# Altium PCB MB1404.PcbDoc (part 5 of 7) (continued)
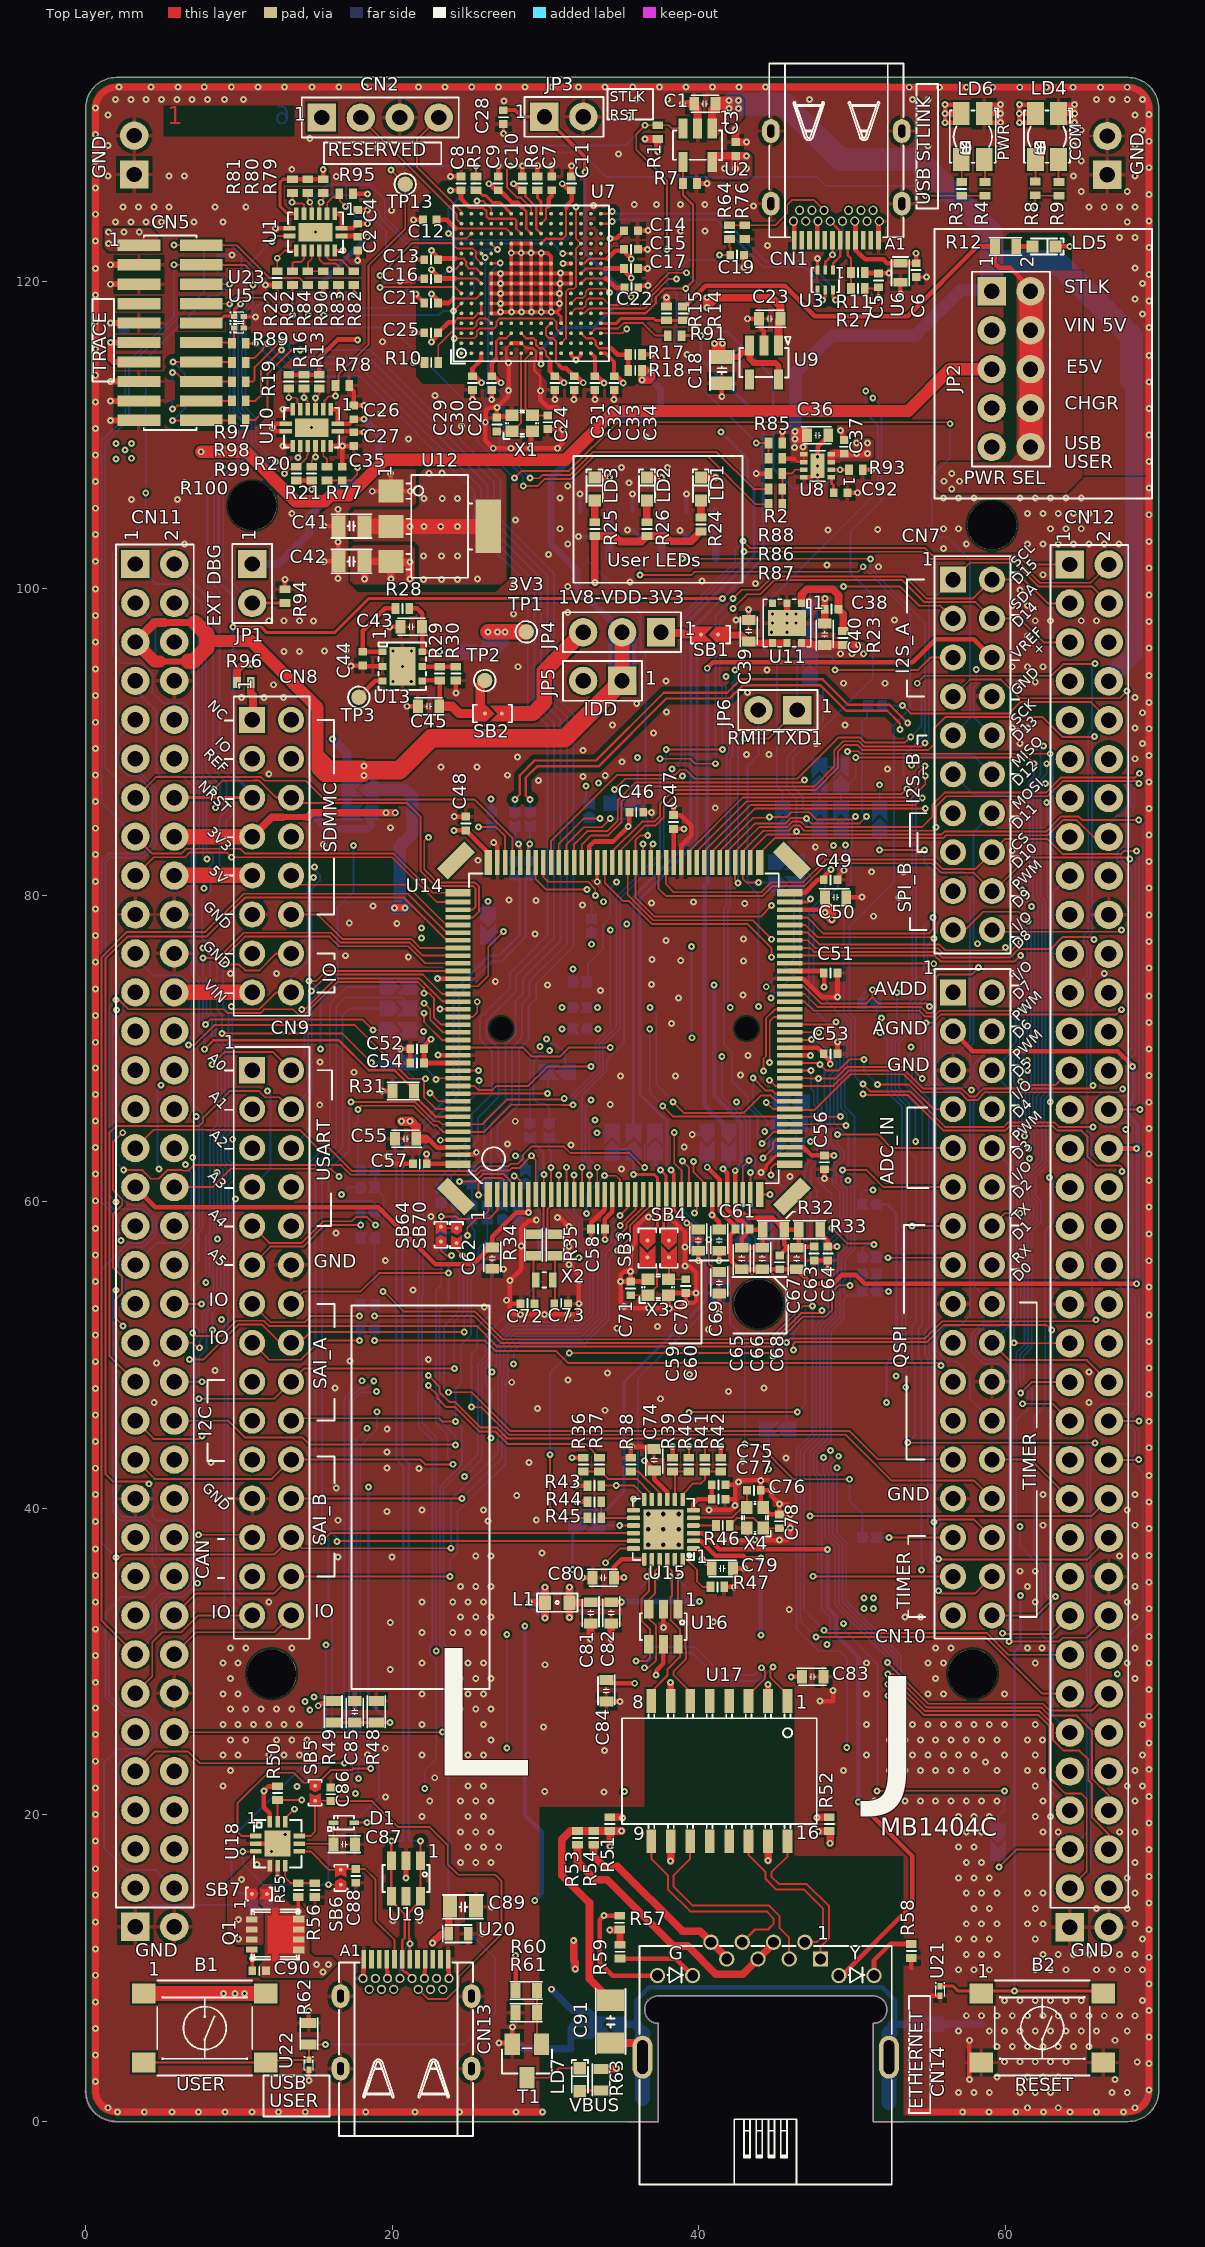
[diagram p0: Top Layer view]
## Nets (pads, with @x,y where several pads share a name; then routed paths per layer and width w, separated by ;. In a path a pad name is that pad's centre, name@x,y a point inside that pad or via, vN(x,y) a via of type N, cw(c..) or ccw(c..) an arc to the next point about the centre after c; other vN are vias at no path point) (continued)
  Signal Layer 2 w0.12: CN10.10@59.126,63.499 60.31,64.683 64.621,64.683 65.401,65.463 65.401,66.987 65.08,67.308 65.08,67.842 65.401,68.163 65.401,69.111 65.641,69.351 65.641,74.71 65.282,75.069 63.748,75.069 63.101,75.716 63.101,76.1 62.301,76.9 v1(61,76.9)
  Bottom Layer w0.12: CN10.10@59.126,63.499 60.275,62.35 60.275,52.9 59.519,52.144 58.569,52.144 57.781,51.356 57.781,50.242 58.569,49.454 59.6,49.454 60.231,48.823 60.231,32.181 59.902,31.852 v1(59.803,31.852)
PE14: CN10.8 CN12.51 U14.67 | length 69.8
  Top Layer w0.12: U14.67@45.941,77.554 47.096,77.554 47.876,76.774 55.701,76.774 56.072,76.403 59.828,76.403 v1(60,76.575)
  Signal Layer 2 w0.12: CN10.8@59.126,66.039 58.021,64.934 58.021,60.501 58.693,59.829 64.947,59.829 65.401,59.375 65.401,57.837 66.189,57.049 67.462,57.049 67.905,56.606 67.905,42.405 67.47,41.97 66.47,41.97 66.459,41.959 63.988,41.959 63.101,41.072 63.101,39.179 CN12.51@64.206,38.074
  Bottom Layer w0.12: CN10.8@59.126,66.039 59.126,66.886 57.931,68.081 57.931,68.947 58.668,69.684 59.96,69.684 60.701,70.425 60.701,71.851 60.34,72.212 60.34,73.042 60.941,73.643 60.941,75.5 60.025,76.416 60.025,76.6 v1(60,76.575)
PE15: CN10.30 CN12.53 U14.68 | length 60
  Top Layer w0.12: U14.68@45.941,78.054 46.944,78.054 47.748,77.25 v1@55.305,77.25 ; v1(55.35,39.1) 55.45,39.1 55.619,39.269 57.956,39.269 CN10.30@59.126,38.099
  Signal Layer 2 w0.12: CN10.30@59.126,38.099 61.641,38.099 CN12.53@64.206,35.534
  Bottom Layer w0.12: v1(55.334,77.179) 54.92,76.765 54.92,73.168 54.425,72.673 54.425,70.952 54.755,70.622 54.755,69.668 54.173,69.086 54.173,67.861 54.458,67.575 55.009,67.575 55.241,67.343 55.241,51.695 55.001,51.455 55.001,50.07 55.185,49.886 55.185,39.265 v1(55.35,39.1)
PF0: CN9.21 CN11.53 U14.10 | length 54
  Top Layer w0.12: U14.10@30.866,60.479 v1(30.866,61.734)
  Signal Layer 2 w0.12: CN11.53@3.246,35.559 4.351,36.664 7.014,36.664 8.25,37.9 8.25,40.563 CN9.21@10.866,43.179 11.971,42.074 24.724,42.074 v1(24.723,42.075)
  Bottom Layer w0.12: v1(24.723,42.075) 25.84,43.192 25.84,49.347 26.32,49.827 26.32,50.755 27.715,52.15 31.925,52.15 32.625,52.85 32.625,56.575 31.93,57.27 31.93,58.545 30.866,59.609 v1(30.866,61.734)
PF1: CN9.19 CN11.51 U14.11 | length 56.1
  Top Layer w0.12: U14.11@31.366,60.479 31.375,60.488 v1(31.375,62.25)
  Signal Layer 2 w0.12: CN11.51@3.246,38.099 4.441,36.904 6.914,36.904 8.01,37.999 8.01,40.662 9.761,42.413 9.761,44.614 CN9.19@10.866,45.719 11.985,44.6 v1(26.45,44.6)
  Bottom Layer w0.12: v1(26.45,44.6) 26.45,47.725 26.08,48.095 26.08,49.247 26.56,49.727 26.56,50.656 27.814,51.91 32.024,51.91 32.865,52.751 32.865,56.674 32.17,57.369 32.17,58.644 31.375,59.439 v1(31.375,62.25)
PF2: CN9.17 CN11.52 U14.12 | length 48.9
  Top Layer w0.12: U14.12@31.866,60.479 v1(31.866,61.734)
  Signal Layer 2 w0.12: CN11.52@5.786,38.099 5.869,38.099 7.77,40 7.77,40.762 9.521,42.513 9.521,46.914 CN9.17@10.866,48.259 11.971,47.154 24.754,47.154 v1(26.5,48.9)
  Bottom Layer w0.12: v1(26.5,48.9) 26.5,48.958 26.8,49.258 26.8,50.555 27.915,51.67 32.124,51.67 33.105,52.651 33.105,56.774 32.41,57.469 32.41,58.744 31.866,59.288 v1(31.866,61.734)
PF3: CN7.20 CN12.58 U14.13 | length 102.3
  Top Layer w0.12: U14.13@32.375,60.488 v1(32.375,62.25) ; CN7.20@59.126,77.723 59.24,77.609 67.459,77.609 v1(67.575,77.725)
  Signal Layer 2 w0.12: v1(35.302,78.129) 35.486,77.945 55.245,77.945 56.128,78.828 57.044,78.828 58.149,77.723 CN7.20@59.126,77.723 ; v1(67.575,77.725) 67.575,77.247 68.331,76.491 68.331,70.45 67.851,69.97 67.851,67.799 68.37,67.28 68.37,65.245 v1(67.85,64.725)
  Bottom Layer w0.12: v1(32.375,62.25) 32.375,66.921 33.995,68.541 33.995,69.251 35.112,70.368 35.112,77.939 v1(35.302,78.129) ; CN12.58@66.746,30.454 68.961,32.669 68.961,42.341 68.295,43.007 68.295,43.385 68.46,43.55 68.46,45.001 68.058,45.402 68.058,45.969 68.481,46.392 68.481,53.807 67.905,54.383 67.905,54.918 68.061,55.074 68.061,63.058 67.908,63.211 67.908,64.667 v1(67.85,64.725)
PF4: CN12.38 R68.1 U14.14 | length 103.9
  Top Layer w0.12: U14.14@32.866,60.479 v1(32.866,61.734) ; v1(36.166,100.884) 39.534,100.884 39.75,101.1 50.4,101.1 v1(50.725,101.425) ; v1(50.7,67.675) 51.175,67.2 53.75,67.2 56.072,64.878 59.878,64.878 60.175,65.175 63.203,65.175 63.5,64.878 v1(65.728,64.878)
  Signal Layer 2 w0.12: v1(32.975,66.65) 33,66.65 33.275,66.925 47.932,66.925 48.682,67.675 v1(50.7,67.675) ; CN12.38@66.746,55.854 CN12.38@67.129,55.854
  Bottom Layer w0.12: v1(32.866,61.734) 32.866,62.459 32.615,62.71 32.615,66.265 32.975,66.625 v1(32.975,66.65) ; v1(36.166,100.884) R68.1@36.166,101.979 ; v1(50.7,67.675) 50.18,68.195 50.18,71.949 49.839,72.289 49.839,77.945 52.725,80.831 52.725,90.627 52.72,90.632 52.72,91.095 53.775,92.15 53.775,98.375 v1(50.725,101.425) ; v1(65.728,64.878) 65.697,64.878 65.675,64.9 65.551,64.776 65.551,57.049 CN12.38@66.746,55.854
PF5: CN12.36 U14.15 | length 47.8
  Top Layer w0.12: U14.15@33.375,60.488 v1(33.375,62.25) ; v1(50.7,67.025) 50.765,66.96 53.651,66.96 55.972,64.638 59.978,64.638 60.274,64.935 63.104,64.935 63.401,64.638 64.962,64.638 65.35,64.25 65.35,62.969 65.95,62.369 67.469,62.369 67.6,62.238 v1(67.6,61.975)
  Signal Layer 2 w0.12: v1@33.2,65.325 v1(33.225,65.325) 38.555,65.325 39.27,66.039 44.864,66.039 45.51,66.685 48.031,66.685 48.421,67.075 50.7,67.075 v1(50.7,67.025) ; CN12.36@66.746,58.394 67.851,59.499 67.851,61.724 v1(67.6,61.975)
  Bottom Layer w0.12: v1@33.213,65.337 32.855,64.98 32.855,62.809 33.375,62.289 v1(33.375,62.25)
PF6: CN11.9 U14.18 | length 76.6
  Top Layer w0.12: v1(33.85,61.7) 34.6,61.7 34.866,61.434 U14.18@34.866,60.479
  Signal Layer 2 w0.12: v1(2.3,57.475) 2.775,57 6.875,57 7.253,56.622 9.25,56.622 9.628,57 14.124,57 14.94,57.816 14.94,58.372 16.534,59.966 24.234,59.966 24.336,59.863 32.037,59.863 v1(32.675,59.225)
  Bottom Layer w0.12: v1(32.675,59.225) 32.675,60.525 v1(33.85,61.7)
  Bottom Layer w0.127: v1(2.3,57.475) 2.138,57.637 2.138,58.882 1.049,59.97 1.049,82.229 1.531,82.71 3.705,82.71 4.354,83.36 4.354,86.818 3.382,87.79 2.787,87.79 2.138,88.44 2.138,90.33 CN11.9@3.246,91.439
PF7: CN9.26 CN11.11 U14.19 | length 113.1
  Top Layer w0.12: CN9.26@13.406,38.099 14.105,37.4 v1(23.825,37.4) ; v1@34.85,59.1 35.366,59.616 U14.19@35.366,60.479 ; v1@34.85,59.101 v1(34.852,59.103)
  Top Layer w0.127: v1(1.991,36.804) 2.193,36.804 2.38,36.99 12.298,36.99 CN9.26@13.406,38.099
  Bottom Layer w0.12: v1(23.825,37.4) 23.825,40.55 26.915,43.64 26.915,48.592 27.04,48.717 27.04,50.44 28.03,51.43 32.223,51.43 33.425,52.632 33.425,57.676 v1(34.852,59.103)
  Bottom Layer w0.127: v1(1.991,36.804) 1.049,37.745 1.049,55.589 2.77,57.31 3.705,57.31 4.354,57.96 4.354,58.878 3.705,59.527 1.842,59.527 1.296,60.073 1.296,82.127 1.633,82.463 3.807,82.463 4.601,83.257 4.601,86.92 3.484,88.037 3.246,88.037 CN11.11@3.246,88.899
PF8: CN9.24 CN11.54 U14.20 | length 47.8
  Top Layer w0.12: v1(34.875,58.45) 34.875,58.5 35.866,59.491 U14.20@35.866,60.479
  Top Layer w0.127: CN9.24@13.406,40.639 24.514,40.639 24.525,40.65 v1(24.55,40.65)
  Signal Layer 2 w0.127: CN11.54@5.786,35.559 6.259,35.559 10.23,39.53 12.298,39.53 CN9.24@13.406,40.639
  Bottom Layer w0.12: 25.735,41.835 27.155,43.255 27.155,48.492 27.28,48.617 27.28,50.31 28.16,51.19 32.323,51.19 33.665,52.532 33.665,56.715 34.3,57.35 34.3,57.875 v1(34.875,58.45)
  Bottom Layer w0.127: v1(24.55,40.65) 25.735,41.835
PF9: CN9.28 CN11.56 U14.21 | length 51.6
  Top Layer w0.12: CN11.56@5.786,33.019 7.221,34.454 12.301,34.454 CN9.28@13.406,35.559 23.766,35.559 v1(23.775,35.55) ; v1(34.8,57.8) 35.28,58.28 35.28,58.566 36.366,59.652 U14.21@36.366,60.479
  Bottom Layer w0.12: v1(23.775,35.55) 23.775,36.675 24.25,37.15 24.25,39.777 27.395,42.922 27.395,48.393 27.52,48.518 27.52,50.175 28.295,50.95 32.422,50.95 33.905,52.433 33.905,56.616 34.54,57.251 34.54,57.54 v1(34.8,57.8)
PF10: CN12.42 U14.22 | length 56.9
  Top Layer w0.12: v1(34.7,56.825) 35.52,57.645 35.52,58.466 36.528,59.474 36.591,59.474 36.866,59.749 U14.22@36.866,60.479
  Signal Layer 2 w0.12: v1(27.925,49.409) 27.951,49.435 55.337,49.435 55.632,49.73 55.968,49.73 56.004,49.694 57.352,49.694 57.61,49.435 65.407,49.435 CN12.42@66.746,50.774
  Bottom Layer w0.12: v1(27.925,49.409) 27.925,50.24 28.395,50.71 32.521,50.71 34.145,52.334 34.145,56.27 v1(34.7,56.825)
PF11: CN12.62 SB60.1 U14.49 | length 100.8
  Top Layer w0.12: v1(19.4,54.15) 19.438,54.15 20.738,52.85 25.377,52.85 27.198,51.028 44.626,51.028 46.797,53.2 v1(47.425,53.2) ; U14.49@45.941,68.554 47.296,68.554 47.3,68.55 v1(47.325,68.55)
  Signal Layer 2 w0.12: v1(49.65,24.4) 62.15,24.4 62.4,24.15 65.522,24.15 CN12.62@66.746,25.374
  Bottom Layer w0.12: SB60.1@18.85,57.625 18.85,54.7 v1(19.4,54.15) ; v1@47.325,68.575 v1(47.325,68.55) 47.325,67.35 47.5,67.175 47.5,66.374 47.773,66.1 47.773,64.654 48.15,64.277 48.15,62.979 47.315,62.144 47.315,61.158 47.697,60.776 47.697,56.149 47.367,55.82 47.367,53.258 v1(47.425,53.2) 47.425,44.9 46.375,43.85 46.375,32.122 47.822,30.675 49.225,30.675 49.675,30.225 49.675,24.425 v1(49.65,24.4)
PF12: CN10.7 CN12.59 U14.50 | length 71.2
  Top Layer w0.12: U14.50@45.941,69.054 47.796,69.054 v1(47.9,68.95) 48.28,68.57 49.12,68.57 49.85,69.3 50.775,69.3 50.775,69.281 v1(50.777,69.278) ; v1(47.65,31.6) 58.711,31.6 62.397,27.914 CN12.59@64.206,27.914 ; v1(51.65,67.65) 53.704,67.65 55.316,66.039 CN10.7@56.586,66.039
  Bottom Layer w0.12: v1(47.65,31.6) 46.615,32.635 46.615,43.751 47.665,44.801 47.665,51.94 48.454,52.729 48.454,54.973 48.02,55.407 48.02,55.743 48.38,56.103 48.38,57.342 49.19,58.152 49.19,60.656 48.73,61.116 48.73,62.357 49.23,62.857 49.23,63.193 48.63,63.792 48.63,64.52 48.325,64.825 48.325,66.575 48.2,66.7 48.2,67.872 48.205,67.877 48.205,68.645 v1(47.9,68.95) ; v1(50.777,69.278) 50.777,68.523 v1(51.65,67.65)
PF13: CN10.9 CN12.57 U14.53 | length 68.1
  Top Layer w0.12: U14.53@45.941,70.554 47.329,70.554 v1(47.35,70.575) ; v1(48.175,32.05) 48.35,31.875 58.775,31.875 60.196,30.454 CN12.57@64.206,30.454 ; v1(49.035,64.39) 51.71,64.39 52.601,63.499 CN10.9@56.586,63.499
  Bottom Layer w0.12: v1(47.35,70.575) 48.545,69.38 48.743,69.38 48.98,69.143 48.98,68.675 48.565,68.26 48.565,64.924 49.035,64.454 v1(49.035,64.39) 49.035,63.727 49.47,63.292 49.47,62.758 48.97,62.258 48.97,61.216 49.43,60.756 49.43,58.053 48.62,57.243 48.62,56.78 48.83,56.57 48.83,55.23 48.694,55.094 48.694,52.63 47.905,51.841 47.905,44.701 46.855,43.651 46.855,33.37 v1(48.175,32.05)
PF14: CN10.11 CN12.50 U14.54 | length 63.7
  Top Layer w0.12: U14.54@45.941,71.054 v1(47.827,71.053) ; v1(47.26,39.5) 47.269,39.509 65.641,39.509 CN12.50@66.746,40.614 ; v1(49.375,62.075) 50.933,62.075 52.049,60.959 CN10.11@56.586,60.959
  Bottom Layer w0.12: v1(47.26,39.5) 47.242,39.518 47.242,43.699 48.145,44.602 48.145,51.741 48.934,52.53 48.934,54.995 49.07,55.131 49.07,56.495 49.43,56.855 49.43,56.859 49.67,57.099 49.67,60.855 49.32,61.205 49.32,61.733 49.375,61.788 v1(49.375,62.075) 49.4,62.075 49.76,62.435 49.76,64.238 48.805,65.193 48.805,68.161 49.22,68.576 49.22,69.242 48.842,69.62 48.644,69.62 47.827,70.437 v1(47.827,71.053)
PF15: CN12.60 U14.55 | length 64.6
  Top Layer w0.12: U14.55@45.941,71.554 48.779,71.554 v1(48.95,71.725) ; v1@48.125,43.329 v1(48.127,43.327) ; v1(52.3,29.95) 52.3,29.921 54.971,27.25 62.445,27.25 62.886,26.809 65.641,26.809 CN12.60@66.746,27.914
  Signal Layer 3 w0.12: v1(48.127,43.327) 47.575,43.879 47.575,51.854 48.454,52.733 48.454,55.031 48.83,55.407 48.83,56.307 50.15,57.627 50.15,65.565 49.575,66.14 49.575,71.1 v1(48.95,71.725)
  Bottom Layer w0.12: v1(48.127,43.327) 48.14,43.314 48.14,42.283 48.235,42.188 48.235,38.165 48.9,37.5 48.9,33.682 52.237,30.345 52.237,30.013 v1(52.3,29.95)
PG0: CN9.29 CN11.59 U14.56 | length 98.8
  Top Layer w0.12: CN11.59@3.246,27.939 4.351,29.044 4.351,31.276 4.989,31.914 6.244,31.914 7.349,33.019 CN9.29@10.866,33.019 ; v1(44.625,69.075) 44.625,71.775 44.904,72.054 U14.56@45.941,72.054
  Signal Layer 2 w0.12: v1(4.8,62.125) 6.183,62.125 6.891,61.417 6.891,60.859 7.575,60.175 v1(9.775,60.175) ; v1(4.925,67.603) 5.055,67.474 7.349,67.474 8.7,68.825 8.7,69.836 10.046,71.182 17.854,71.182 20.353,68.683 23.517,68.683 24.029,69.195 32.032,69.195 32.807,68.42 33.145,68.42 33.795,69.07 41.668,69.07 41.673,69.075 v1(44.625,69.075)
  Bottom Layer w0.12: v1(4.8,62.125) 4.681,62.244 4.681,67.356 4.925,67.6 v1(4.925,67.603) ; v1(9.775,60.175) 9.556,59.956 9.556,58.499 9.741,58.314 9.741,57.113 9.291,56.663 9.291,34.594 CN9.29@10.866,33.019
PG1: CN9.30 CN11.58 U14.57 | length 107.8
  Top Layer w0.12: v1(2.425,64.503) 2.378,64.503 1.796,63.922 1.796,60.746 2.396,60.147 2.396,59.811 1.796,59.212 1.796,55.697 2.38,55.114 2.38,54.06 1.925,53.605 1.925,52.425 v1(2.45,51.9) ; CN11.58@5.786,30.479 7.221,31.914 12.301,31.914 CN9.30@13.406,33.019 ; v1(44.227,68.528) 44.22,68.536 44.22,69.335 44.385,69.5 44.385,71.96 44.979,72.554 U14.57@45.941,72.554
  Signal Layer 2 w0.12: v1(2.425,64.503) 2.425,65.297 2.141,65.581 2.141,66.497 2.794,67.15 7.364,67.15 8.94,68.726 8.94,69.736 10.145,70.942 17.755,70.942 20.253,68.443 23.616,68.443 24.128,68.955 31.933,68.955 32.708,68.18 33.244,68.18 33.894,68.83 43.927,68.83 v1(44.227,68.528) ; v1(2.45,51.9) 2.454,51.904 4.012,51.904 4.273,52.165 8.715,52.165 v1(8.875,52.325)
  Signal Layer 3 w0.12: v1(44.227,68.528) v1@44.249,68.55
  Bottom Layer w0.12: v1(8.875,52.325) 8.875,52.35 9.051,52.174 9.051,33.271 10.408,31.914 12.301,31.914 CN9.30@13.406,33.019
PG2: CN8.14 CN11.42 U14.87 | length 63.1
  Top Layer w0.12: CN11.42@5.786,50.799 6.976,50.799 7.3,50.475 7.423,50.475 v1(7.425,50.477) ; v1(9.125,75.475) 10.027,75.475 10.408,75.094 11.344,75.094 12.449,76.199 CN8.14@13.406,76.199 ; v1(14.876,81.154) v1@14.876,81.201 ; U14.87@36.866,82.129 36.866,83.191 37,83.325 v1(37.025,83.325)
  Signal Layer 2 w0.12: v1(7.425,50.477) v1@7.425,50.5 ; v1@14.876,81.174 v1(14.876,81.154) 15.307,81.585 34.949,81.585 36.27,82.905 36.605,82.905 v1(37.025,83.325)
  Bottom Layer w0.12: v1(7.425,50.477) 7.425,50.951 7.636,51.161 7.636,52.826 7.971,53.161 7.971,53.394 8.571,53.994 8.571,56.961 9.021,57.411 9.021,57.984 8.836,58.169 8.836,61.262 9.211,61.637 9.211,62.171 8.836,62.546 8.836,64.256 9.326,64.746 9.326,72.351 8.973,72.704 8.973,75.323 v1(9.125,75.475) ; CN8.14@13.406,76.199 14.511,77.304 14.511,80.789 v1(14.876,81.154)
PG3: CN8.16 CN11.44 U14.88 | length 64.6
  Top Layer w0.12: CN11.44@5.786,48.259 v1(7.591,48.259) ; v1(9.5,72.75) 9.696,72.554 11.324,72.554 12.429,73.659 CN8.16@13.406,73.659 ; v1(36.35,83.325) 36.366,83.309 U14.88@36.366,82.129
  Signal Layer 2 w0.12: v1(14.925,81.825) 34.85,81.825 v1(36.35,83.325)
  Bottom Layer w0.12: v1(7.591,48.259) 7.411,48.439 7.411,49.89 7.876,50.355 7.876,52.727 8.211,53.062 8.211,53.295 8.811,53.895 8.811,56.862 9.261,57.312 9.261,58.083 9.076,58.268 9.076,61.162 9.451,61.537 9.451,62.27 9.076,62.645 9.076,64.156 9.566,64.646 9.566,72.526 9.475,72.617 9.475,72.75 v1(9.5,72.75) ; CN8.16@13.406,73.659 13.406,74.636 14.751,75.981 14.751,80.426 15.281,80.956 15.281,81.322 14.925,81.677 v1(14.925,81.825)
PG4: CN12.69 R69.1 U14.89 | length 116.6
  Top Layer w0.12: v1(36.667,83.892) 36.184,83.892 35.866,83.574 U14.89@35.866,82.129 35.866,79.866 37.127,78.605 44.028,78.605 v1(44.752,79.329) ; v1(52.35,27.775) 53.428,27.775 54.673,26.53 62.147,26.53 62.861,25.816 62.861,22.45 63.913,21.399 64.951,21.399 65.311,21.039 65.311,16.319 CN12.69@64.206,15.214
  Signal Layer 3 w0.12: v1(44.752,79.329) 44.752,77.696 47.318,75.13 48.349,75.13 49.695,73.784 49.695,72.434 50.295,71.834 50.295,66.438 50.87,65.863 50.87,57.329 49.55,56.009 49.55,55.109 49.174,54.733 49.174,52.435 48.295,51.556 48.295,44.991 49.532,43.753 49.532,43.157 v1(49.025,42.65)
  Bottom Layer w0.12: R69.1@32.766,101.979 32.766,101.799 33.026,101.539 33.049,101.539 36.2,98.388 36.2,96.025 36.52,95.705 36.52,85.044 36.667,84.896 v1(36.667,83.892) ; v1(49.025,42.65) 49.025,38.393 49.62,37.798 49.62,33.98 53.185,30.415 53.185,28.61 v1(52.35,27.775)
PG5: CN12.68 U14.90 | length 90.4
  Top Layer w0.12: U14.90@35.366,82.129 35.366,80.027 37.028,78.365 43.51,78.365 v1(44.75,77.125) ; v1@49.125,43.405 v1(49.127,43.402) ; v1(52.325,28.525) 53.017,28.525 54.772,26.77 62.246,26.77 63.101,25.915 63.101,24.916 63.817,24.2 64.825,24.2 65.401,23.624 65.401,22.277 65.641,22.037 65.641,19.836 66.746,18.731 CN12.68@66.746,17.754
  Signal Layer 3 w0.12: v1(44.75,77.125) 44.983,77.125 47.218,74.89 48.249,74.89 49.455,73.684 49.455,72.334 50.055,71.734 50.055,66.339 50.63,65.764 50.63,57.428 49.31,56.108 49.31,55.208 48.934,54.833 48.934,52.534 48.055,51.655 48.055,44.891 49.127,43.819 v1(49.127,43.402)
  Bottom Layer w0.12: v1(49.127,43.402) 49.127,43.388 48.62,42.881 48.62,42.482 48.715,42.387 48.715,38.364 49.38,37.699 49.38,33.881 52.945,30.316 52.945,29.145 v1(52.325,28.525)
PG6: CN10.13 CN12.70 U14.91 | length 110.6
  Top Layer w0.12: U14.91@34.866,82.129 34.866,82.914 36.507,84.555 37.18,84.555 37.715,85.09 37.715,85.763 38.562,86.61 53.245,86.61 v1(53.575,86.94) ; v1(53.634,44.284) 65.841,44.284 v1(65.85,44.275) ; v1@53.914,58.482 v1@54.003,58.482 ; v1(53.921,58.419) CN10.13@56.586,58.419
  Bottom Layer w0.12: v1(53.575,86.94) 53.585,86.94 53.925,86.6 53.925,73.201 53.698,72.974 53.698,71.342 52.816,70.46 52.816,67.331 53.745,66.402 53.745,63.275 54.154,62.866 54.154,58.652 v1(53.921,58.419) ; v1(53.634,44.284) 54.098,44.748 54.098,49.436 53.914,49.62 53.914,51.906 54.154,52.146 54.154,58.184 v1(53.921,58.419) ; v1(65.85,44.275) 65.825,44.3 65.551,44.026 65.551,16.409 CN12.70@66.746,15.214
PG7: CN12.67 SB74.2 U14.92 | length 121.9
  Top Layer w0.12: U14.92@34.366,82.129 34.366,82.858 36.303,84.795 37.081,84.795 37.475,85.189 37.475,85.967 38.358,86.85 47.625,86.85 49.075,88.3 49.075,89.35 49.525,89.8 50.338,89.8 50.67,89.468 54.968,89.468 55.35,89.85 55.35,90.894 56.074,91.618 62.432,91.618 63.741,90.309 65.784,90.309 v1(65.825,90.35) ; v1(59.575,16.6) 60.729,17.754 CN12.67@64.206,17.754
  Bottom Layer w0.12: 59.55,17.75 59.55,16.575 v1(59.575,16.6) ; CN12.67@64.206,17.754 65.311,18.859 65.311,45.822 66.288,46.799 67.849,46.799 68.241,47.191 68.241,53.707 67.2,54.749 66.288,54.749 65.641,55.396 65.641,56.619 65.311,56.949 65.311,74.399 65.551,74.639 65.551,76.731 65.37,76.912 65.37,77.268 65.641,77.539 65.641,90.166 v1(65.825,90.35)
PG8: CN12.66 U14.93 | length 88.8
  Top Layer w0.12: U14.93@33.866,82.129 33.866,80.809 35.048,79.627 35.427,79.627 36.928,78.125 43.15,78.125 44.75,76.525 v1(44.75,75.95) ; v1(52.325,29.2) 52.682,29.2 54.872,27.01 62.346,27.01 62.877,26.479 64.664,26.479 65.641,25.502 65.641,22.376 66.746,21.271 CN12.66@66.746,20.294
  Signal Layer 3 w0.12: v1(44.75,75.95) 45.819,75.95 47.119,74.65 48.15,74.65 48.625,74.175 48.625,72.825 49.815,71.635 49.815,66.239 50.39,65.664 50.39,57.528 49.07,56.208 49.07,55.308 48.694,54.932 48.694,52.634 47.815,51.754 47.815,44.559 v1(48.587,43.787)
  Bottom Layer w0.12: v1(48.587,43.787) 48.575,43.775 48.575,43.175 48.38,42.98 48.38,42.383 48.475,42.288 48.475,38.264 49.14,37.599 49.14,33.781 52.705,30.216 52.705,29.58 v1(52.325,29.2)
PG9: CN7.12 CN11.63 U14.124 | length 117.2
  Top Layer w0.12: CN11.63@3.246,22.859 4.537,24.15 6.675,24.15 7.45,23.375 v1(16.875,23.375) ; v1(23.125,72.575) 23.136,72.564 24.28,72.564 U14.124@24.291,72.554
  Signal Layer 2 w0.12: v1(33.464,87.309) 41.234,87.309 42.275,88.35 50.8,88.35 51.225,88.775 53.575,88.775 v1(53.875,88.475)
  Signal Layer 3 w0.12: v1(18.042,48.325) 18.642,48.925 19.298,48.925 20.475,50.102 20.475,63.875 24.71,68.11 24.71,70.99 v1(23.125,72.575) ; v1@23.15,72.625 23.175,72.625 24,73.45 27.155,73.45 30.025,76.32 30.025,78.75 30.425,79.15 30.425,83.825 33.464,86.864 v1(33.464,87.309)
  Bottom Layer w0.12: v1(16.875,23.375) 16.875,36.415 16.88,36.42 16.88,47.163 v1(18.042,48.325) ; v1(53.875,88.475) 54.55,89.15 57.859,89.15 CN7.12@59.126,87.883
PG10: CN7.17 CN11.66 U14.125 | length 106.8
  Top Layer w0.12: CN11.66@5.786,20.319 CN11.66@5.817,20.35 ; U14.125@24.291,72.054 25.254,72.054 25.55,72.35 v1(25.55,73.045)
  Signal Layer 2 w0.12: CN11.66@5.786,20.319 8.644,20.319 10.775,22.45 14.875,22.45 16.2,21.125 17.236,21.125 17.511,21.4 v1(17.6,21.4) ; v1(33.775,79.57) 35.075,79.57 36.865,81.36 46.915,81.36 48.83,79.445 53.695,79.445 54.513,80.263 CN7.17@56.586,80.263
  Signal Layer 3 w0.12: v1(18.8,48.3) 18.8,48.385 19.1,48.685 19.397,48.685 20.715,50.003 20.715,63.776 24.95,68.011 24.95,72.412 25.55,73.012 v1(25.55,73.045) ; v1@25.553,73.075 27.28,73.075 v1(33.775,79.57)
  Bottom Layer w0.12: v1(17.6,21.4) 17.6,22.002 17.395,22.207 17.395,23.435 17.185,23.645 17.185,47.129 17.872,47.816 18.316,47.816 v1(18.8,48.3)
PG11: CN11.70 SB34.2 U14.126 | length 97.6
  Top Layer w0.12: v1(1.975,73.175) 2.167,73.175 2.788,72.554 8.996,72.554 9.236,72.314 11.423,72.314 11.663,72.554 13.528,72.554 13.933,72.149 14.268,72.149 14.506,72.386 14.506,72.415 16.424,74.334 21.677,74.334 22.075,73.936 v1(22.075,73.6) 22.411,73.6 22.72,73.291 22.72,72.03 23.196,71.554 U14.126@24.291,71.554
  Signal Layer 2 w0.12: v1(1.975,54.228) 1.425,54.778 1.425,58.986 1.941,59.502 1.941,59.93 v1(1.991,59.979)
  Bottom Layer w0.12: v1(1.975,54.228) 1.78,54.033 1.78,39.729 2.305,39.204 3.704,39.204 4.351,38.557 4.351,36.366 4.598,36.119 4.598,34.999 3.806,34.207 2.316,34.207 1.293,33.184 1.293,27.696 2.485,26.504 3.704,26.504 4.351,25.857 4.351,24.941 3.704,24.294 2.081,24.294 1.191,23.404 1.191,17.854 2.641,16.404 4.621,16.404 CN11.70@5.786,15.239 ; v1(1.975,73.175) 1.54,72.74 1.54,60.43 v1(1.991,59.979) ; SB34.2@21,74 21.675,74 v1(22.075,73.6)
PG12: CN10.2 CN11.65 U14.127 | length 130.4
  Top Layer w0.12: v1@22.079,72.946 22.48,72.545 22.48,71.87 23.296,71.054 U14.127@24.291,71.054
  Signal Layer 2 w0.12: v1(2.025,72.5) 2.079,72.554 6.786,72.554 7.119,72.22 13.861,72.22 13.933,72.149 21.149,72.149 21.684,72.684 21.769,72.684 22.035,72.95 v1(22.075,72.95) 24.24,75.115 30.14,75.115 30.7,75.675 32.125,75.675 32.685,75.115 57.67,75.115 CN10.2@59.126,73.659
  Bottom Layer w0.12: v1(2.025,72.5) 2,72.5 1.78,72.28 1.78,60.82 2.829,59.771 3.806,59.771 4.598,58.979 4.598,57.859 3.806,57.067 2.871,57.067 2.141,56.337 2.141,55.421 2.535,55.027 2.535,54.19 2.02,53.676 2.02,39.828 2.404,39.444 3.803,39.444 4.591,38.656 4.591,37.059 4.986,36.664 6.244,36.664 6.891,36.017 6.891,35.101 6.244,34.454 5.004,34.454 4.351,33.801 4.351,32.561 3.704,31.914 2.072,31.914 1.533,31.375 1.533,27.796 2.585,26.744 3.803,26.744 4.591,25.956 4.591,24.842 3.803,24.054 2.878,24.054 2.141,23.317 2.141,21.424 CN11.65@3.246,20.319
PG13: CN11.68 SB37.2 U14.128 | length 72.7
  Top Layer w0.12: v1(22.075,72.3) 22.075,71.725 23.246,70.554 U14.128@24.291,70.554
  Signal Layer 2 w0.12: CN11.68@5.786,17.779 6.857,18.85 7.825,18.85 11.15,22.175 13.475,22.175 v1(13.8,21.85)
  Bottom Layer w0.12: v1(13.8,21.85) 16.08,24.13 16.08,33.695 15.848,33.927 15.848,38.025 14.998,38.875 14.998,62.375 16.348,63.725 16.348,72.726 16.942,73.32 20.655,73.32 21,72.975 SB37.2@21,72.6 21.78,72.6 22.075,72.305 v1(22.075,72.3)
PG14: CN10.12 CN12.61 U14.129 | length 88.7
  Top Layer w0.12: U14.129@24.291,70.054 28.546,70.054 29.127,69.473 30.923,69.473 31.504,70.054 v1(34.225,70.054)
  Signal Layer 2 w0.12: v1(34.225,70.054) 34.265,70.014 47.8,70.014 48.13,69.684 59.584,69.684 60.718,68.55 v1(61.45,68.55)
  Signal Layer 2 w0.127: CN10.12@59.126,60.959 62.246,60.959 v1(62.866,61.579) 62.025,62.42 61.409,62.42 61.17,62.659 61.17,63.17 61.478,63.478 v1(61.496,63.478)
  Signal Layer 3 w0.127: v1(61.496,63.478) v1@61.553,63.478
  Bottom Layer w0.12: v1(61.45,68.55) 61.475,68.55 61.661,68.364 61.661,67.524 61.32,67.183 61.32,64.784 61.661,64.443 61.661,63.643 v1(61.496,63.478)
  Bottom Layer w0.127: v1(62.866,61.579) 63.098,61.347 63.098,58.625 62.6,58.127 62.6,46.75 61.875,46.025 61.875,36.969 62.593,36.251 62.593,34.354 63.098,33.85 63.098,26.482 CN12.61@64.206,25.374
PG15: CN11.64 U14.132 | length 64.5
  Top Layer w0.12: U14.132@24.291,68.554 24.293,68.552 25.623,68.552 v1(25.625,68.55)
  Signal Layer 2 w0.12: CN11.64@5.786,22.859 7.741,22.859 8.225,22.375 9.75,22.375 10.55,23.175 16.15,23.175 16.95,22.375 v1(17.8,22.375)
  Signal Layer 3 w0.12: v1(18.975,47.625) 19.287,47.937 19.287,48.236 20.955,49.903 20.955,62.25 ; 20.96,62.255 20.955,62.259 20.955,63.676 25.19,67.911 25.19,68.115 v1(25.625,68.55)
  Bottom Layer w0.12: v1(17.8,22.375) 17.8,23.369 17.425,23.744 17.425,47.03 17.972,47.576 18.926,47.576 v1(18.975,47.625)
PH0: CN11.29 SB50.2 | length 32.8
  Signal Layer 2 w0.12: CN11.29@3.246,66.039 4.386,64.899 8.234,64.899 16.875,64.9 17.75,64.025 21.975,64.025 22.725,63.275 24.45,63.275 25.66,64.485 29.422,64.485 29.436,64.499 v1(33.35,64.499)
  Bottom Layer w0.12: v1(33.35,64.499) 34.349,64.499 SB50.2@34.35,64.5
PH0-OSC_IN: SB3.1 SB49.1 SB50.1 U14.23 | length 9
  Top Layer w0.2: v1(35.75,61.775) 37.1,61.775 37.305,61.57 37.305,58.38 36.65,57.725 SB3.1@36.65,57.475
  Bottom Layer w0.2: SB50.1@34.35,63.4 SB49.1@35.75,63.4 v1(35.75,61.775)
PH1: CN11.31 SB48.2 | length 38.8
  Top Layer w0.12: CN11.31@3.246,63.499 4.441,64.694 7.835,64.694 7.842,64.687 13.963,64.687 15.125,63.525 15.87,63.525 17.394,62.001 25.426,62.001 25.74,62.315 27.565,62.315 27.725,62.475 28.2,62.475 28.525,62.8 28.525,63.05 29.075,63.6 31.202,63.6 31.632,63.17 35.48,63.17 36.45,62.2 v1(36.475,62.225)
  Bottom Layer w0.12: v1(36.475,62.225) 36.47,62.23 36.47,63.695 37.15,64.375 SB48.2@37.15,64.5
PH1-OSC_OUT: SB4.1 SB48.1 U14.24 | length 6.4
  Top Layer w0.2: v1(37.5,62.075) 37.866,61.709 U14.24@37.866,60.479 37.866,59.693 37.705,59.532 37.705,57.82 SB4.1@38.05,57.475
  Bottom Layer w0.2: SB48.1@37.15,63.4 37.15,62.425 v1(37.5,62.075)
RD_N: R73.1 U15.22 U16.6 U17.8 | length 11.5
  Top Layer w0.11: 38.166,32.705 38.166,34.204
  Top Layer w0.13: U17.8@36.901,27.434 36.966,27.499 36.966,28.116 37.959,29.109 37.959,29.509 38.766,30.316 38.766,31.004 U16.6@38.641,31.129 38.766,31.254 38.766,32.105 38.166,32.705 ; U15.22@37.941,36.679 38.009,36.611 38.009,36.161 38.241,35.929 38.241,35.679 v1(38.116,35.554) 38.25,35.42 38.25,34.288 38.166,34.204
  Bottom Layer w0.13: R73.1@38.191,34.829 38.191,35.479 v1(38.116,35.554) v1@38.25,35.554